# Altium PCB KlusterLab r2.0.PcbDoc (part 9 of 22) (continued)
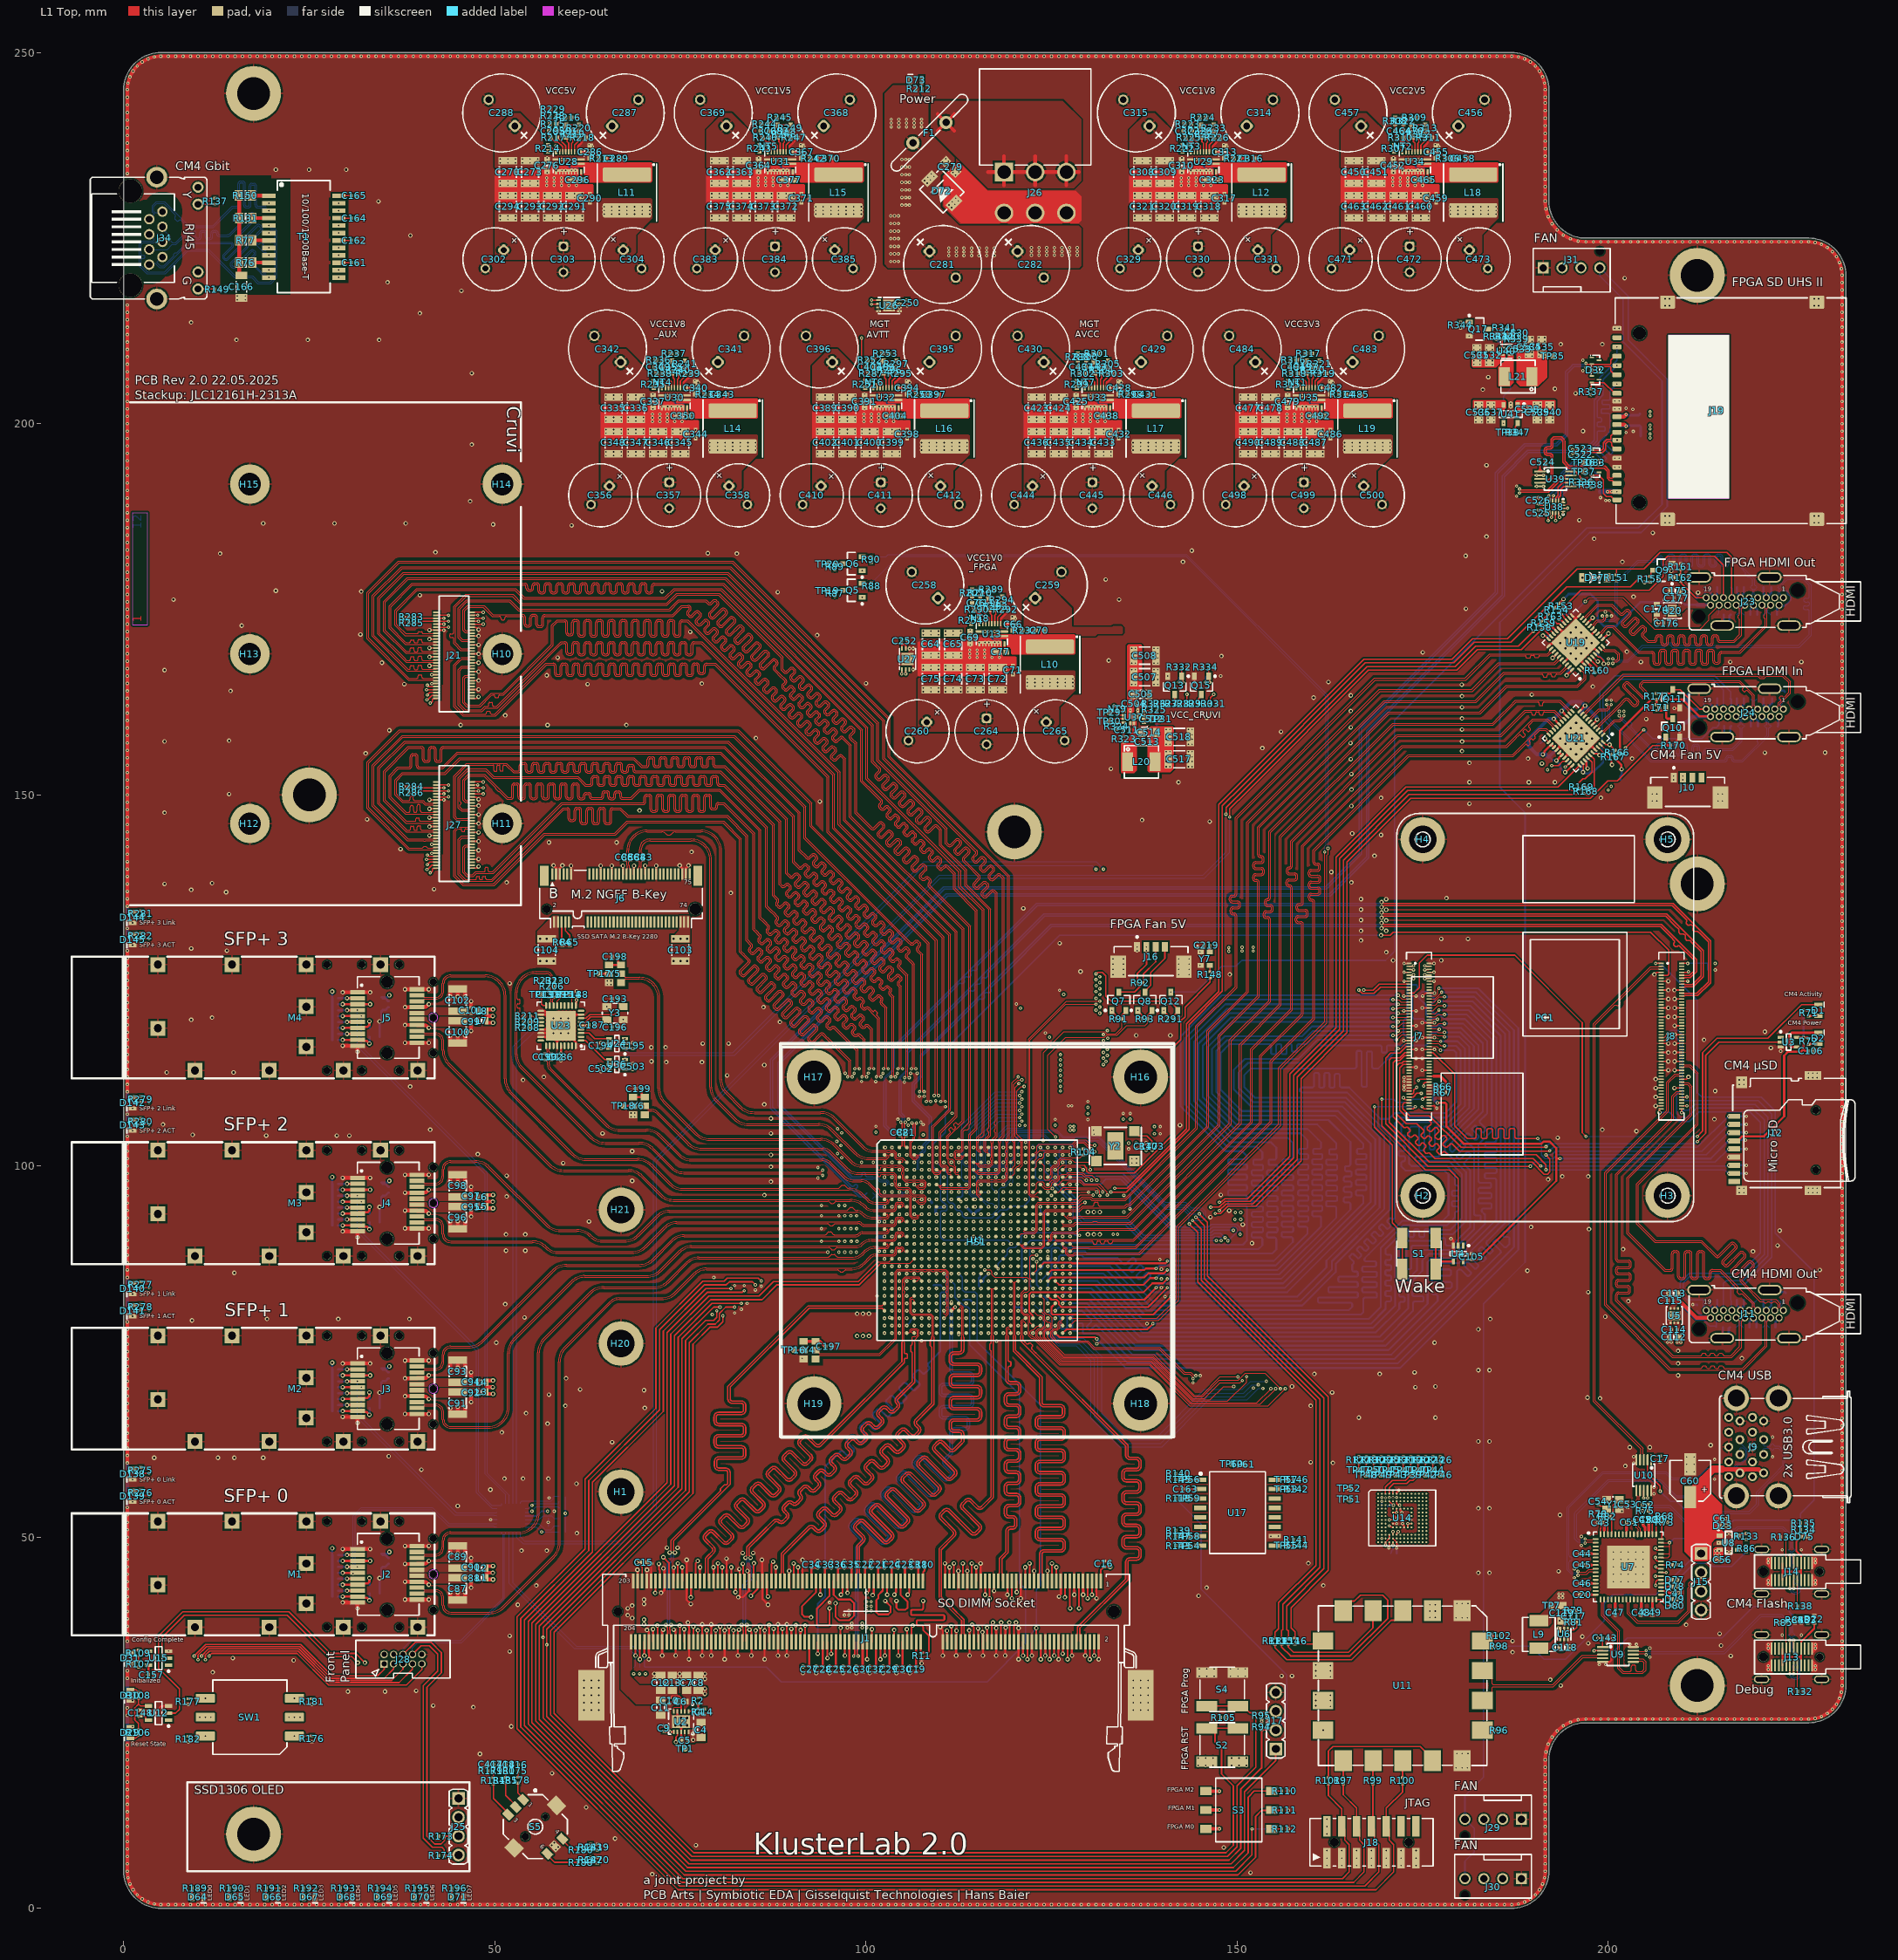
[diagram p0: L1 Top view]
## Nets (pads, with @x,y where several pads share a name; then routed paths per layer and width w, separated by ;. In a path a pad name is that pad's centre, name@x,y a point inside that pad or via, vN(x,y) a via of type N, cw(c..) or ccw(c..) an arc to the next point about the centre after c; other vN are vias at no path point) (continued)
  L3 Inner2 (Sig) w0.1: v1(100.071,112) 100.099,111.972 100.099,111.698 100.105,111.692 100.105,111.108 99.9,110.903 99.9,101.667 100.43,101.137 100.43,99.3 101.652,98.078 101.652,98.011 102.09,97.573 102.09,97.268 102.255,97.103 104.729,97.103 105.118,96.714 105.118,96.299 105.317,96.1 110.941,96.1 111,96.159 111,96.441 110.941,96.5 v1(110.5,96.5)
CRUVI_B_11_P: J27.44 U1.G10 | length 157.3
  L1 Top w0.114: J27.44@46.835,143.33 46.485,143.33 46.391,143.236 45.986,143.236 45.695,142.945 45.695,139.515 46.2,139.009 47.09,139.009 47.506,139.425 49.815,139.425 59.106,148.716 69.785,148.716 69.962,148.716 ccw(c69.962,149.098) 70.344,149.098 70.344,149.688 cw(c70.485,149.688) 70.485,149.829 70.767,149.829 cw(c70.767,149.688) 70.908,149.688 70.908,148.047 ccw(c71.289,148.047) 71.289,147.665 71.571,147.665 ccw(c71.571,148.047) 71.953,148.047 71.953,149.688 cw(c72.094,149.688) 72.094,149.829 72.376,149.829 cw(c72.376,149.688) 72.517,149.688 72.517,148.047 ccw(c72.899,148.047) 72.899,147.665 73.18,147.665 ccw(c73.18,148.047) 73.562,148.047 73.562,149.688 cw(c73.703,149.688) 73.703,149.829 73.985,149.829 cw(c73.985,149.688) 74.126,149.688 74.126,148.047 ccw(c74.508,148.047) 74.508,147.665 74.79,147.665 ccw(c74.79,148.047) 75.171,148.047 75.171,149.688 cw(c75.312,149.688) 75.312,149.829 75.594,149.829 cw(c75.594,149.688) 75.735,149.688 75.735,148.047 ccw(c76.117,148.047) 76.117,147.665 76.399,147.665 ccw(c76.399,148.047) 76.781,148.047 76.781,149.688 cw(c76.921,149.688) 76.921,149.829 77.203,149.829 cw(c77.203,149.688) 77.344,149.688 77.344,148.047 ccw(c77.726,148.047) 77.726,147.665 78.008,147.665 ccw(c78.008,148.047) 78.39,148.047 78.39,149.688 cw(c78.531,149.688) 78.531,149.829 78.813,149.829 cw(c78.813,149.688) 78.954,149.688 78.954,148.36 ccw(c79.335,148.36) 79.335,147.979 79.617,147.979 ccw(c79.617,148.36) 79.999,148.36 79.999,148.575 cw(c80.14,148.575) 80.14,148.716 80.676,148.716 80.78,148.716 84.759,144.736 84.759,131.842 84.9,131.701 84.918,131.683 85.008,131.593 85.613,130.988 cw(c85.513,130.889) 85.613,130.789 85.503,130.68 ccw(c85.773,130.41) 85.503,130.14 85.703,129.941 ccw(c85.973,130.211) 86.243,129.941 86.645,130.343 cw(c86.745,130.244) 86.845,130.343 87.043,130.145 cw(c86.944,130.044) 87.044,129.945 86.641,129.542 ccw(c86.911,129.272) 86.641,129.002 86.841,128.803 ccw(c87.111,129.073) 87.38,128.803 87.783,129.205 cw(c87.883,129.106) 87.983,129.205 88.181,129.007 cw(c88.082,128.906) 88.182,128.807 87.779,128.404 ccw(c88.049,128.134) 87.779,127.864 87.978,127.665 ccw(c88.248,127.935) 88.518,127.665 88.921,128.068 cw(c89.021,127.968) 89.121,128.067 89.319,127.869 cw(c89.22,127.769) 89.32,127.669 88.917,127.266 ccw(c89.187,126.996) 88.917,126.726 89.116,126.527 ccw(c89.386,126.797) 89.656,126.527 ; 89.657,126.528 90.059,126.93 cw(c90.159,126.83) 90.259,126.929 90.457,126.731 cw(c90.358,126.631) 90.458,126.532 90.055,126.128 ccw(c90.325,125.858) 90.055,125.589 90.254,125.389 ccw(c90.524,125.659) 90.794,125.389 ; 90.795,125.39 91.197,125.792 ; 91.197,125.792 cw(c91.296,125.692) 91.396,125.791 91.595,125.593 cw(c91.496,125.493) 91.596,125.394 91.193,124.991 ccw(c91.463,124.721) 91.193,124.451 91.392,124.251 ccw(c91.662,124.521) 91.932,124.251 92.335,124.654 cw(c92.434,124.554) 92.534,124.654 92.733,124.455 cw(c92.634,124.355) 92.733,124.255 92.331,123.853 ; 92.331,123.853 ccw(c92.601,123.583) 92.331,123.313 92.53,123.113 ccw(c92.8,123.383) 93.07,123.113 93.473,123.517 cw(c93.572,123.416) 93.672,123.516 ; 93.468,122.715 ccw(c93.738,122.445) 93.468,122.175 93.668,121.976 ccw(c93.938,122.246) 94.208,121.976 94.611,122.379 cw(c94.71,122.279) 94.81,122.378 ; 93.469,122.715 93.871,123.117 ccw(c93.771,123.217) 93.871,123.317 93.672,123.515 ; 94.606,121.577 ccw(c94.876,121.307) 94.606,121.037 94.806,120.838 ccw(c95.076,121.108) 95.346,120.838 95.749,121.241 cw(c95.848,121.141) 95.948,121.24 ; 94.607,121.577 95.009,121.98 ccw(c94.909,122.079) 95.009,122.179 94.81,122.378 ; 95.744,120.439 ccw(c96.014,120.169) 95.744,119.899 95.944,119.7 ccw(c96.213,119.97) 96.483,119.7 96.887,120.103 cw(c96.986,120.003) 97.086,120.102 ; 95.745,120.44 96.147,120.842 ccw(c96.047,120.941) 96.146,121.041 95.948,121.24 ; 96.882,119.301 ccw(c97.152,119.031) 96.882,118.761 97.081,118.562 ccw(c97.351,118.832) 97.621,118.562 97.951,118.891 cw(c98.05,118.792) 98.15,118.891 98.349,118.693 cw(c98.25,118.592) 98.349,118.493 98.129,118.272 ccw(c98.399,118.003) 98.129,117.733 98.328,117.533 ccw(c98.598,117.803) 98.868,117.533 cw(c98.968,117.434) 99.068,117.533 ; 96.883,119.302 97.285,119.704 ccw(c97.185,119.803) 97.284,119.904 ; 97.086,120.102 97.284,119.904 ; 99.068,117.533 99.641,116.96 99.641,116.482 v1@99.641,112
  L3 Inner2 (Sig) w0.1: v1(99.471,112) 99.769,111.702 99.769,111.561 99.775,111.555 99.775,111.245 99.57,111.04 99.57,101.53 100.1,101 100.1,99.163 101.394,97.869 ; 101.419,97.844 101.394,97.869 ; v1(111.5,96.5) 111.5,96.405 111.397,96.302 111.397,96.273 111.024,95.9 105.234,95.9 104.918,96.216 104.918,96.631 104.646,96.903 102.172,96.903 101.89,97.185 101.89,97.49 101.511,97.869 101.394,97.869
CRUVI_B_DI: J27.51 U1.J15 | length 133.4
  L1 Top w0.15: v1(40.9,141.9) 40.968,141.9 41.138,141.73 J27.51@42.165,141.73
  L3 Inner2 (Sig) w0.15: v1(40.9,141.9) 40.5,142.3 40.5,149.5 44.1,153.1 71.562,153.1 106.737,117.925 114.475,117.925 120.1,112.3 120.1,110.3 120.4,110 v1(121,110)
  L12 Bottom w0.1: v1(116.5,94.5) 115.1,95.9 114.2,95.9 113.9,96.2 113.9,97.775 113.675,98 113.175,98 112.9,98.275 112.9,105.5 117.4,110 v1(121,110)
CRUVI_B_DO: J27.53 U1.C18 | length 121.5
  L1 Top w0.1: U1.C18@119.5,100.5 119.9,100.9 119.9,103.2 119.7,103.4 119.7,111.2 v1(120.5,112)
  L1 Top w0.15: v1(40.8,141.3) 40.815,141.315 42.15,141.315 J27.53@42.165,141.33
  L3 Inner2 (Sig) w0.15: v1(40.8,141.3) 40.1,142 40.1,149.7 43.9,153.5 71.728,153.5 106.903,118.325 114.575,118.325 120.45,112.45 120.45,112.05 v1(120.5,112)
CRUVI_B_HSI: J27.10 U1.G16 | length 110.2
  L1 Top w0.15: J27.10@46.835,150.13 v1(48.43,150.13)
  L3 Inner2 (Sig) w0.15: v1(48.43,150.13) 49.63,150.13 49.8,150.3 70.402,150.3 105.577,115.125 113.775,115.125 118,110.9 118,107.8 119.3,106.5 120.669,106.5 v1(120.688,106.519)
  L12 Bottom w0.1: v1(117.5,96.5) 117,97 117,98.7 117.3,99 117.7,99 117.9,99.2 117.9,99.717 117.717,99.9 116.1,99.9 115.8,100.2 115.8,104.5 117.819,106.519 v1(120.688,106.519)
CRUVI_B_HSIO: J27.2 U1.F15 | length 110.4
  L1 Top w0.15: J27.2@46.835,151.73 46.869,151.764 48.396,151.764 v1(48.43,151.73)
  L3 Inner2 (Sig) w0.15: v1(48.43,151.73) 48.93,151.73 49.1,151.9 71.065,151.9 106.24,116.725 114.175,116.725 119.2,111.7 119.2,109.3 120,108.5 v1(120.7,108.5)
  L12 Bottom w0.1: v1(116.5,97.5) 116,98 115.2,98 115.1,98.1 115.1,98.9 114.7,99.3 114.7,100.5 114.1,101.1 114.1,105.1 117.5,108.5 v1(120.7,108.5)
CRUVI_B_HSO: J27.6 U1.D16 | length 108.3
  L1 Top w0.15: J27.6@46.835,150.93 v1(48.43,150.93)
  L3 Inner2 (Sig) w0.15: v1(48.43,150.93) 49.43,150.93 49.6,151.1 70.734,151.1 105.909,115.925 113.975,115.925 118.6,111.3 118.6,108.6 119.7,107.5 v1(120.7,107.5)
  L12 Bottom w0.1: v1(117.5,99.5) 117,99 116.4,99 116.1,99.3 115.6,99.3 115.2,99.7 115.2,105.2 117.5,107.5 v1(120.7,107.5)
CRUVI_B_MODE: J27.57 U1.E18 | length 129.2
  L1 Top w0.1: U1.E18@119.5,98.5 120,99 120,99.566 120.384,99.95 120.516,99.95 120.9,100.334 120.9,103.2 120.1,104 120.1,110.6 v1(120.6,111.1)
  L1 Top w0.15: v1(40.857,139.957) 40.939,139.957 41.057,140.076 41.076,140.076 41.336,140.336 41.515,140.515 42.15,140.515 J27.57@42.165,140.53
  L3 Inner2 (Sig) w0.15: v1(40.857,139.957) 39.3,141.515 39.3,149.9 43.7,154.3 72.059,154.3 107.234,119.125 114.775,119.125 121.4,112.5 121.4,111.4 121.1,111.1 v1(120.6,111.1)
CRUVI_B_REFCLK: J27.11 U1.E16 | length 112.5
  L1 Top w0.15: J27.11@42.165,149.73 v1(43.76,149.73)
  L3 Inner2 (Sig) w0.15: v1(43.76,149.73) 45.846,149.73 45.991,149.875 47.997,149.875 48.142,149.73 49.73,149.73 49.9,149.9 70.237,149.9 105.412,114.725 113.675,114.725 117.7,110.7 117.7,107.4 119.1,106 120.928,106 v1(120.982,106.054)
  L12 Bottom w0.1: v1(117.5,98.5) 118.1,99.1 118.1,99.8 117.8,100.1 116.3,100.1 116.1,100.3 116.1,104.2 117.954,106.054 v1(120.982,106.054)
CRUVI_B_RESET: J27.8 U1.D15 | length 106.6
  L1 Top w0.15: J27.8@46.835,150.53 v1(47.8,150.53)
  L3 Inner2 (Sig) w0.15: v1(47.8,150.53) 49.53,150.53 49.7,150.7 70.568,150.7 105.743,115.525 113.875,115.525 118.3,111.1 118.3,108.2 119.5,107 v1(121,107)
  L12 Bottom w0.1: v1(116.5,99.5) 116,99.5 115.5,100 115.5,105 117.5,107 v1(121,107)
CRUVI_B_SCK: J27.59 U1.D19 | length 129.9
  L1 Top w0.1: U1.D19@120.5,99.5 121.1,100.1 121.1,103.5 120.3,104.3 120.3,110.1 120.918,110.718 v1(121.308,110.718)
  L1 Top w0.15: v1(41.3,139.5) 41.359,139.5 41.586,139.726 41.586,140.002 41.674,140.09 42.125,140.09 J27.59@42.165,140.13
  L3 Inner2 (Sig) w0.15: v1(41.3,139.5) 40.6,139.5 38.9,141.2 38.9,150 43.6,154.7 72.225,154.7 107.4,119.525 114.875,119.525 121.7,112.7 121.7,111.068 121.35,110.718 v1(121.308,110.718)
CRUVI_B_SEL: J27.55 U1.D18 | length 125.3
  L1 Top w0.1: U1.D18@119.5,99.5 120.1,100.1 120.1,100.817 120.1,103.4 119.9,103.6 119.9,111 120.5,111.6 v1(121,111.6)
  L1 Top w0.15: v1(40.9,140.6) 41.23,140.93 J27.55@42.165,140.93
  L3 Inner2 (Sig) w0.15: v1(40.9,140.6) 39.7,141.8 39.7,149.8 43.8,153.9 71.894,153.9 107.069,118.725 114.675,118.725 121,112.4 v1(121,111.6)
CRUVI_B_SMB_ALERT: J27.3 U1.G15 | length 117.8
  L1 Top w0.15: J27.3@42.165,151.33 v1(43.76,151.33)
  L3 Inner2 (Sig) w0.15: v1(43.76,151.33) 44.73,152.3 71.231,152.3 106.406,117.125 114.275,117.125 119.5,111.9 119.5,109.6 120.1,109 v1(121,109)
  L12 Bottom w0.1: v1(116.5,96.5) 115.3,96.5 114.9,96.9 114.9,98.8 114.4,99.3 114.4,100.4 113.9,100.9 113.9,105.4 117.5,109 v1(121,109)
CRUVI_B_SMB_SCL: J27.7 R286.1 U1.E15 | length 116.9
  L1 Top w0.15: R286.1@39.195,150.3 39.87,150.3 40.1,150.53 J27.7@42.165,150.53 v1(43.76,150.53)
  L3 Inner2 (Sig) w0.15: v1(43.76,150.53) 46.89,150.53 47.3,150.94 47.872,150.94 48.262,151.33 49.03,151.33 49.2,151.5 70.9,151.5 106.075,116.325 114.075,116.325 118.9,111.5 118.9,108.9 119.8,108 v1(121,108)
  L12 Bottom w0.1: v1(116.5,98.5) 116,99 115.5,99 114.9,99.6 114.9,105.4 117.5,108 v1(121,108)
CRUVI_B_SMB_SDA: J27.5 R284.1 U1.J16 | length 124.7
  L1 Top w0.15: R284.1@39.195,151.1 39.9,151.1 40.07,150.93 J27.5@42.165,150.93 v1(43.13,150.93)
  L3 Inner2 (Sig) w0.15: v1(43.13,150.93) 43.13,151.43 44.4,152.7 71.397,152.7 106.572,117.525 114.375,117.525 119.8,112.1 119.8,110 120.282,109.518 120.682,109.518 v1(120.7,109.5)
  L12 Bottom w0.1: v1(117.5,94.5) 117,95 116.5,95 116.375,95.125 116.345,95.125 116.185,95.285 115.998,95.285 115.183,96.1 114.3,96.1 114.1,96.3 114.1,99.65 113.75,100 113.4,100 113.1,100.3 113.1,105.1 117.5,109.5 v1(120.7,109.5)
DAT01/RCLK_N: D83.4 J19.19 TP37.1 U39.4 | length 22.2
  L1 Top w0.15: U39.4@190.817,192.05 191.487,192.05 191.598,192.162 192.035,192.162 192.554,192.68 192.554,195.327 192.554,195.54 ccw(c192.097,195.54) 192.097,195.997 191.837,195.997 cw(c191.837,196.177) 191.657,196.177 191.657,196.417 cw(c191.837,196.417) 191.837,196.597 192.097,196.597 ccw(c192.097,197.054) 192.554,197.054 192.554,197.658 192.554,197.765 192.756,197.967 193.581,197.967 193.87,197.678 193.87,194.805 194.671,194.004 196.7,194.004 ; TP37.1@196.7,193.55 196.7,194.004 ; J19.19@201.174,191.94 200.921,191.94 200.625,192.237 200.625,192.264 200.537,192.352 200.185,192.352 199.85,192.687 199.85,193.608 199.454,194.004 197.806,194.004 196.7,194.004
DAT01/RCLK_P: D83.7 J19.18 TP36.1 U39.3 | length 22.1
  L1 Top w0.15: U39.3@190.817,192.55 191.487,192.55 191.598,192.439 191.92,192.439 192.277,192.795 192.277,195.327 192.277,195.54 ccw(c192.097,195.54) 192.097,195.72 191.837,195.72 cw(c191.837,196.177) 191.38,196.177 191.38,196.417 cw(c191.837,196.417) 191.837,196.874 192.097,196.874 ccw(c192.097,197.054) 192.277,197.054 192.277,197.658 192.277,197.88 192.641,198.244 193.696,198.244 194.134,197.806 ; 194.147,197.706 194.147,194.92 194.785,194.281 199.569,194.281 200.127,193.723 200.127,192.802 200.3,192.629 200.537,192.629 200.625,192.716 200.625,192.743 200.921,193.04 J19.18@201.174,193.04 ; 196.7,194.3 TP36.1@196.7,194.75 TP36.1@196.7,194.754
DDR3_A0: J1.98 U1.AF7 | length 57.3
  L1 Top w0.249: v2(100.15,33.55) J1.98@100.15,35.9
  L3 Inner2 (Sig) w0.154: v2(100.15,33.55) 98.6,35.1 98.6,35.554 98.6,35.631 ccw(c98.446,35.631) 98.446,35.785 97.751,35.785 cw(c97.751,35.936) 97.6,35.936 97.6,36.238 cw(c97.751,36.238) 97.751,36.389 99.794,36.389 ccw(c99.794,36.54) 99.945,36.54 99.945,36.842 ccw(c99.794,36.842) 99.794,36.993 98.754,36.993 cw(c98.754,37.147) 98.6,37.147 98.6,37.7 98.6,40.741 98.6,40.818 ccw(c98.446,40.818) 98.446,40.972 98.025,40.972 cw(c98.025,41.123) 97.874,41.123 97.874,41.425 cw(c98.025,41.425) 98.025,41.576 98.446,41.576 ccw(c98.446,41.73) 98.6,41.73 98.6,42.458 98.6,42.5 97.7,43.4 97.7,54.7 108.5,65.5 108.5,72.99 v1(108.5,77.5)
DDR3_A1: J1.97 U1.AD8 | length 58.6
  L1 Top w0.249: v2(100.1,42.5) 100.142,42.5 100.45,42.808 J1.97@100.45,44.1
  L3 Inner2 (Sig) w0.154: v2(100.1,42.5) 100.069,42.531 100.069,43.031 98.9,44.2 98.9,52.8 99.201,53.101 99.255,53.155 ccw(c99.104,53.306) 99.255,53.457 98.994,53.718 cw(c99.145,53.869) 98.994,54.02 99.296,54.322 cw(c99.447,54.171) 99.598,54.322 100.496,53.424 ccw(c100.647,53.575) 100.798,53.424 101.1,53.726 ccw(c100.949,53.877) 101.1,54.028 100.201,54.926 cw(c100.352,55.077) 100.201,55.228 100.503,55.53 cw(c100.654,55.379) 100.805,55.53 101.704,54.631 ccw(c101.855,54.782) 102.006,54.631 102.308,54.933 ccw(c102.157,55.084) 102.308,55.235 101.409,56.134 cw(c101.56,56.285) 101.409,56.436 101.711,56.738 cw(c101.862,56.587) 102.013,56.738 102.912,55.839 ccw(c103.063,55.99) 103.214,55.839 103.516,56.141 ccw(c103.365,56.292) 103.516,56.443 102.617,57.342 cw(c102.768,57.493) 102.617,57.644 102.919,57.946 cw(c103.07,57.795) 103.221,57.946 104.12,57.047 ccw(c104.27,57.198) 104.421,57.047 104.723,57.349 ccw(c104.572,57.5) 104.723,57.651 103.825,58.55 cw(c103.976,58.7) 103.825,58.851 104.127,59.153 cw(c104.278,59.002) 104.429,59.153 105.327,58.255 ccw(c105.478,58.406) 105.629,58.255 105.931,58.557 ccw(c105.78,58.708) 105.931,58.859 105.596,59.194 cw(c105.747,59.345) 105.596,59.496 106.193,60.093 106.2,60.1 106.2,61.2 109.5,64.5 109.5,72.816 109.5,73.3 v1(109.5,79.5)
DDR3_A2: J1.96 U1.AB10 | length 56.2
  L1 Top w0.249: J1.96@100.75,35.9 100.775,35.925 100.775,37.575 v2(100.8,37.6)
  L3 Inner2 (Sig) w0.15: 109,73 109,82.7 109.3,83 110.8,83 111,82.8 111,82.2 111.498,81.702 v1(111.498,81.698)
  L3 Inner2 (Sig) w0.154: v2(100.8,37.6) 100.779,37.621 100.779,38.221 100.2,38.8 99.5,38.8 99.1,39.2 99.1,42.9 98.3,43.7 98.3,54.3 109,65 109,73
DDR3_A3: J1.95 U1.AC8 | length 59.2
  L1 Top w0.249: v2(100.9,42.2) 100.9,42.295 101.05,42.445 J1.95@101.05,44.1
  L3 Inner2 (Sig) w0.154: v2(100.9,42.2) 100.5,41.8 99.8,41.8 99.6,41.6 99.6,39.5 99.8,39.3 100.5,39.3 101,38.8 101.3,38.8 101.5,39 101.5,42.6 99.5,44.6 99.5,51.2 107,58.7 107,61 110,64 110,73.009 110,80.7 110.3,81 110.8,81 111,81.2 111,81.7 110.7,82 110.2,82 110,81.8 110,81.3 109.557,80.857 109.557,80.557 v1(109.5,80.5)
DDR3_A4: J1.92 U1.W11 | length 67.5
  L1 Top w0.249: v2(101.95,33.55) J1.92@101.95,35.9
  L3 Inner2 (Sig) w0.154: v2(101.95,33.55) 102.025,33.55 103.2,32.375 103.2,31 102.9,30.7 101.8,30.7 101.1,31.4 101.1,36.1 102.1,37.1 102.1,41.1 101.8,41.4 101.8,43.6 100.1,45.3 100.1,50.6 107.8,58.3 107.8,60.8 110.5,63.5 110.5,77.5 111.1,78.1 111.1,80.3 111.5,80.7 111.5,81.1 112,81.6 112,84 v1(112.5,84.5)
DDR3_A5: J1.91 U1.AA12 | length 57.2
  L1 Top w0.249: J1.91@102.25,44.1 102.25,42.8 101.648,42.198 101.648,41.775 101.4,41.527 101.4,39.9 101.7,39.6 103,39.6 103.3,39.9 103.3,40.7 v2(102.6,41.4)
  L3 Inner2 (Sig) w0.15: 111,72.98 111,77.5 111.4,77.9 111.4,80.1 111.9,80.6 112.2,80.6 112.7,81.1 112.7,81.4 113.482,82.182 113.482,82.482 v1(113.5,82.5)
  L3 Inner2 (Sig) w0.154: v2(102.6,41.4) 102.2,41.8 102.2,44 101.4,44.8 101.4,46.9 101.1,47.2 101.1,50.5 103.71,53.11 104.192,53.592 cw(c104.301,53.483) 104.41,53.592 104.421,53.581 ccw(c104.527,53.688) 104.634,53.581 104.848,53.795 ccw(c104.741,53.902) 104.848,54.008 104.813,54.043 cw(c104.92,54.15) 104.813,54.257 105.026,54.47 cw(c105.133,54.364) 105.24,54.47 105.275,54.435 ccw(c105.382,54.542) 105.488,54.435 105.702,54.649 ccw(c105.595,54.756) 105.702,54.863 105.667,54.898 cw(c105.774,55.004) 105.667,55.111 105.881,55.325 cw(c105.987,55.218) 106.094,55.325 106.129,55.29 ccw(c106.236,55.396) 106.343,55.29 106.556,55.503 ccw(c106.45,55.61) 106.556,55.717 106.521,55.752 cw(c106.628,55.859) 106.521,55.965 106.735,56.179 cw(c106.842,56.072) 106.948,56.179 106.983,56.144 ccw(c107.09,56.251) 107.197,56.144 107.411,56.357 ccw(c107.304,56.464) 107.411,56.571 107.4,56.582 cw(c107.509,56.691) 107.4,56.8 108.1,57.5 108.6,58 108.6,60.6 111,63 111,72.98
DDR3_A6: J1.90 U1.AC12 | length 54.6
  L1 Top w0.249: v2(102.55,34.05) J1.90@102.55,35.9
  L3 Inner2 (Sig) w0.15: 112,72.98 112,79.7 112.3,80 112.7,80 112.952,80.252 113.171,80.252 113.419,80.5 v1(113.5,80.5)
  L3 Inner2 (Sig) w0.154: v2(102.55,34.05) 102.6,34 103.2,34 103.6,34.4 103.6,35 102.55,36.05 102.55,40.45 103.327,41.227 103.327,49.827 110.2,56.7 110.2,60.2 112,62 112,72.98
DDR3_A7: J1.86 U1.AD13 | length 51.5
  L1 Top w0.249: J1.86@103.75,35.9 103.775,35.925 103.775,37.475 v2(103.8,37.5)
  L3 Inner2 (Sig) w0.154: v2(103.8,37.5) 103.75,37.55 103.75,39.15 103.95,39.35 104.004,39.404 ccw(c103.896,39.513) 104.004,39.622 103.357,40.27 cw(c103.464,40.377) 103.357,40.483 103.571,40.697 cw(c103.677,40.59) 103.784,40.697 104.445,40.036 ccw(c104.551,40.143) 104.658,40.036 104.872,40.25 ccw(c104.765,40.357) 104.872,40.464 104.735,40.6 cw(c104.842,40.707) 104.735,40.814 104.949,41.027 cw(c105.055,40.921) 105.162,41.027 105.286,40.904 ccw(c105.395,41.013) 105.504,40.904 106.2,41.6 106.5,41.9 106.5,45.4 106.7,45.6 106.7,47.6 107.3,48.2 108,48.2 112.7,52.9 112.7,58.5 114,59.8 114,76.5 113.9,76.6 113.9,78.5 114.444,79.044 114.444,79.444 v1(114.5,79.5)
DDR3_A8: J1.89 U1.AB12 | length 54.7
  L1 Top w0.249: v2(102.85,42.25) J1.89@102.85,44.1
  L3 Inner2 (Sig) w0.154: v2(102.85,42.25) 102.85,44.25 101.9,45.2 101.9,46.669 101.9,47.35 cw(c102.054,47.35) 102.054,47.504 102.789,47.504 ccw(c102.789,47.655) 102.94,47.655 102.94,47.957 ccw(c102.789,47.957) 102.789,48.108 101.839,48.108 cw(c101.839,48.259) 101.688,48.259 101.688,48.561 cw(c101.839,48.561) 101.839,48.712 102.789,48.712 ccw(c102.789,48.863) 102.94,48.863 102.94,49.165 ccw(c102.789,49.165) 102.789,49.316 102.054,49.316 cw(c102.054,49.47) 101.9,49.47 101.9,49.764 101.9,50 103.4,51.5 103.882,51.982 cw(c103.991,51.873) 104.099,51.982 104.148,51.933 ccw(c104.255,52.04) 104.361,51.933 104.575,52.147 ccw(c104.468,52.253) 104.575,52.36 104.409,52.526 cw(c104.516,52.633) 104.409,52.74 104.622,52.954 cw(c104.729,52.847) 104.836,52.954 105.002,52.787 ccw(c105.109,52.894) 105.216,52.787 105.429,53.001 ccw(c105.323,53.108) 105.429,53.214 105.263,53.381 cw(c105.37,53.488) 105.263,53.594 105.477,53.808 cw(c105.583,53.701) 105.69,53.808 105.856,53.642 ccw(c105.963,53.748) 106.07,53.642 106.284,53.855 ccw(c106.177,53.962) 106.284,54.069 106.117,54.235 cw(c106.224,54.342) 106.117,54.449 106.331,54.662 cw(c106.438,54.555) 106.544,54.662 106.711,54.496 ccw(c106.817,54.603) 106.924,54.496 107.138,54.709 ccw(c107.031,54.816) 107.138,54.923 106.972,55.089 cw(c107.078,55.196) 106.972,55.303 107.185,55.516 cw(c107.292,55.41) 107.399,55.516 107.483,55.432 ccw(c107.59,55.538) 107.697,55.432 107.911,55.645 ccw(c107.804,55.752) 107.911,55.859 107.835,55.935 cw(c107.941,56.041) 107.835,56.148 108.048,56.362 cw(c108.155,56.255) 108.262,56.362 108.371,56.253 ccw(c108.477,56.36) 108.584,56.253 108.798,56.466 ccw(c108.691,56.573) 108.798,56.68 cw(c108.907,56.789) 108.798,56.898 109,57.1 109.4,57.5 109.4,60.4 111.5,62.5 111.5,72.952 ; 111.5,72.98 111.5,77.4 111.7,77.6 111.7,79.9 112.1,80.3 112.5,80.3 113.1,80.9 113.1,81.1 v1(113.5,81.5)
DDR3_A9: J1.85 U1.AD11 | length 57.3
  L1 Top w0.249: v2(103.825,42.25) 103.825,42.345 104.05,42.57 J1.85@104.05,44.1
  L3 Inner2 (Sig) w0.15: 112.5,72.98 112.5,76.6 112.902,77.002 112.902,78.882 112.559,79.224 112.559,79.443 v1(112.502,79.5)
  L3 Inner2 (Sig) w0.154: v2(103.825,42.25) 103.825,48.6 104.548,49.323 104.602,49.377 ccw(c104.494,49.486) 104.602,49.595 104.465,49.733 cw(c104.571,49.84) 104.465,49.947 104.678,50.16 cw(c104.785,50.054) 104.892,50.16 105.614,49.438 ccw(c105.721,49.544) 105.828,49.438 106.042,49.651 ccw(c105.935,49.758) 106.042,49.865 105.319,50.587 cw(c105.426,50.694) 105.319,50.801 105.532,51.015 cw(c105.639,50.908) 105.746,51.015 106.469,50.292 ccw(c106.576,50.399) 106.682,50.292 106.896,50.505 ccw(c106.789,50.612) 106.896,50.719 106.173,51.442 cw(c106.28,51.548) 106.173,51.655 106.387,51.869 cw(c106.493,51.762) 106.6,51.869 107.323,51.146 ccw(c107.43,51.253) 107.537,51.146 107.75,51.36 ccw(c107.643,51.466) 107.75,51.573 107.027,52.296 cw(c107.134,52.403) 107.027,52.509 107.241,52.723 cw(c107.348,52.616) 107.454,52.723 108.177,52 ccw(c108.284,52.107) 108.391,52 108.604,52.214 ccw(c108.498,52.321) 108.604,52.427 107.882,53.15 cw(c107.988,53.257) 107.882,53.364 108.095,53.577 cw(c108.202,53.471) 108.309,53.577 109.031,52.855 ccw(c109.138,52.961) 109.245,52.855 109.459,53.068 ccw(c109.352,53.175) 109.459,53.282 108.736,54.004 cw(c108.843,54.111) 108.736,54.218 108.949,54.432 cw(c109.056,54.325) 109.163,54.432 109.886,53.709 ccw(c109.992,53.816) 110.099,53.709 110.313,53.922 ccw(c110.206,54.029) 110.313,54.136 109.946,54.503 cw(c110.055,54.612) 109.946,54.721 110.345,55.12 110.8,55.575 110.8,59.8 112.5,61.5 112.5,72.98
DDR3_A10: J1.107 U1.AE7 | length 58.4
  L1 Top w0.249: J1.107@97.45,44.1 97.475,44.075 97.475,42.525 v2(97.5,42.5)
  L3 Inner2 (Sig) w0.154: v2(97.5,42.5) 96.5,43.5 96.5,43.8 96.5,43.877 ccw(c96.346,43.877) 96.346,44.031 95.554,44.031 cw(c95.554,44.182) 95.403,44.182 95.403,44.484 cw(c95.554,44.484) 95.554,44.635 96.849,44.635 ccw(c96.849,44.786) 97,44.786 97,45.088 ccw(c96.849,45.088) 96.849,45.239 95.928,45.239 cw(c95.928,45.39) 95.777,45.39 95.777,45.692 cw(c95.928,45.692) 95.928,45.843 96.472,45.843 ccw(c96.472,45.994) 96.623,45.994 96.623,46.296 ccw(c96.472,46.296) 96.472,46.447 95.928,46.447 cw(c95.928,46.598) 95.777,46.598 95.777,46.9 cw(c95.928,46.9) 95.928,47.051 96.526,47.051 ccw(c96.526,47.202) 96.677,47.202 96.677,47.504 ccw(c96.526,47.504) 96.526,47.655 95.554,47.655 cw(c95.554,47.806) 95.403,47.806 95.403,48.108 cw(c95.554,48.108) 95.554,48.259 96.849,48.259 ccw(c96.849,48.41) 97,48.41 97,48.712 ccw(c96.849,48.712) 96.849,48.863 95.554,48.863 cw(c95.554,49.014) 95.403,49.014 95.403,49.316 cw(c95.554,49.316) 95.554,49.467 96.849,49.467 ccw(c96.849,49.618) 97,49.618 97,49.92 ccw(c96.849,49.92) 96.849,50.072 95.554,50.072 cw(c95.554,50.223) 95.403,50.223 95.403,50.525 cw(c95.554,50.525) 95.554,50.676 96.849,50.676 ccw(c96.849,50.827) 97,50.827 97,51.129 ccw(c96.849,51.129) 96.849,51.28 96.159,51.28 cw(c96.159,51.431) 96.008,51.431 96.008,51.733 cw(c96.159,51.733) 96.159,51.884 96.346,51.884 ccw(c96.346,52.038) 96.5,52.038 96.5,52.5 96.5,54.5 108,66 108,77.7 108.482,78.182 108.482,78.482 v1(108.5,78.5)
DDR3_A11: J1.84 U1.Y11 | length 63.1
  L1 Top w0.249: v2(104.35,34.05) J1.84@104.35,35.9
  L3 Inner2 (Sig) w0.154: v2(104.35,34.05) 104.4,34 105.6,34 106,34.4 106,34.755 106,34.832 ccw(c105.846,34.832) 105.846,34.986 105.291,34.986 cw(c105.291,35.137) 105.14,35.137 105.14,35.439 cw(c105.291,35.439) 105.291,35.59 105.846,35.59 ccw(c105.846,35.744) 106,35.744 106,36.1 104.9,37.2 104.9,39 105.063,39.163 105.118,39.218 ccw(c105.009,39.327) 105.118,39.436 105.072,39.482 cw(c105.178,39.589) 105.072,39.695 105.285,39.909 cw(c105.392,39.802) 105.499,39.909 105.746,39.661 ccw(c105.853,39.768) 105.96,39.661 106.173,39.875 ccw(c106.067,39.982) 106.173,40.089 105.926,40.336 cw(c106.033,40.443) 105.926,40.55 106.139,40.763 cw(c106.246,40.656) 106.353,40.763 106.399,40.717 ccw(c106.508,40.826) 106.617,40.717 107.094,41.194 107.1,41.2 107.1,47.1 107.6,47.6 108.4,47.6 113.3,52.5 113.3,58 114.5,59.2 114.5,76.5 114.3,76.7 114.3,78.4 115,79.1 115,82.7 114.7,83 113,83 v1(112.5,83.5)